# KiCad board helixloop.kicad_pcb (continued)
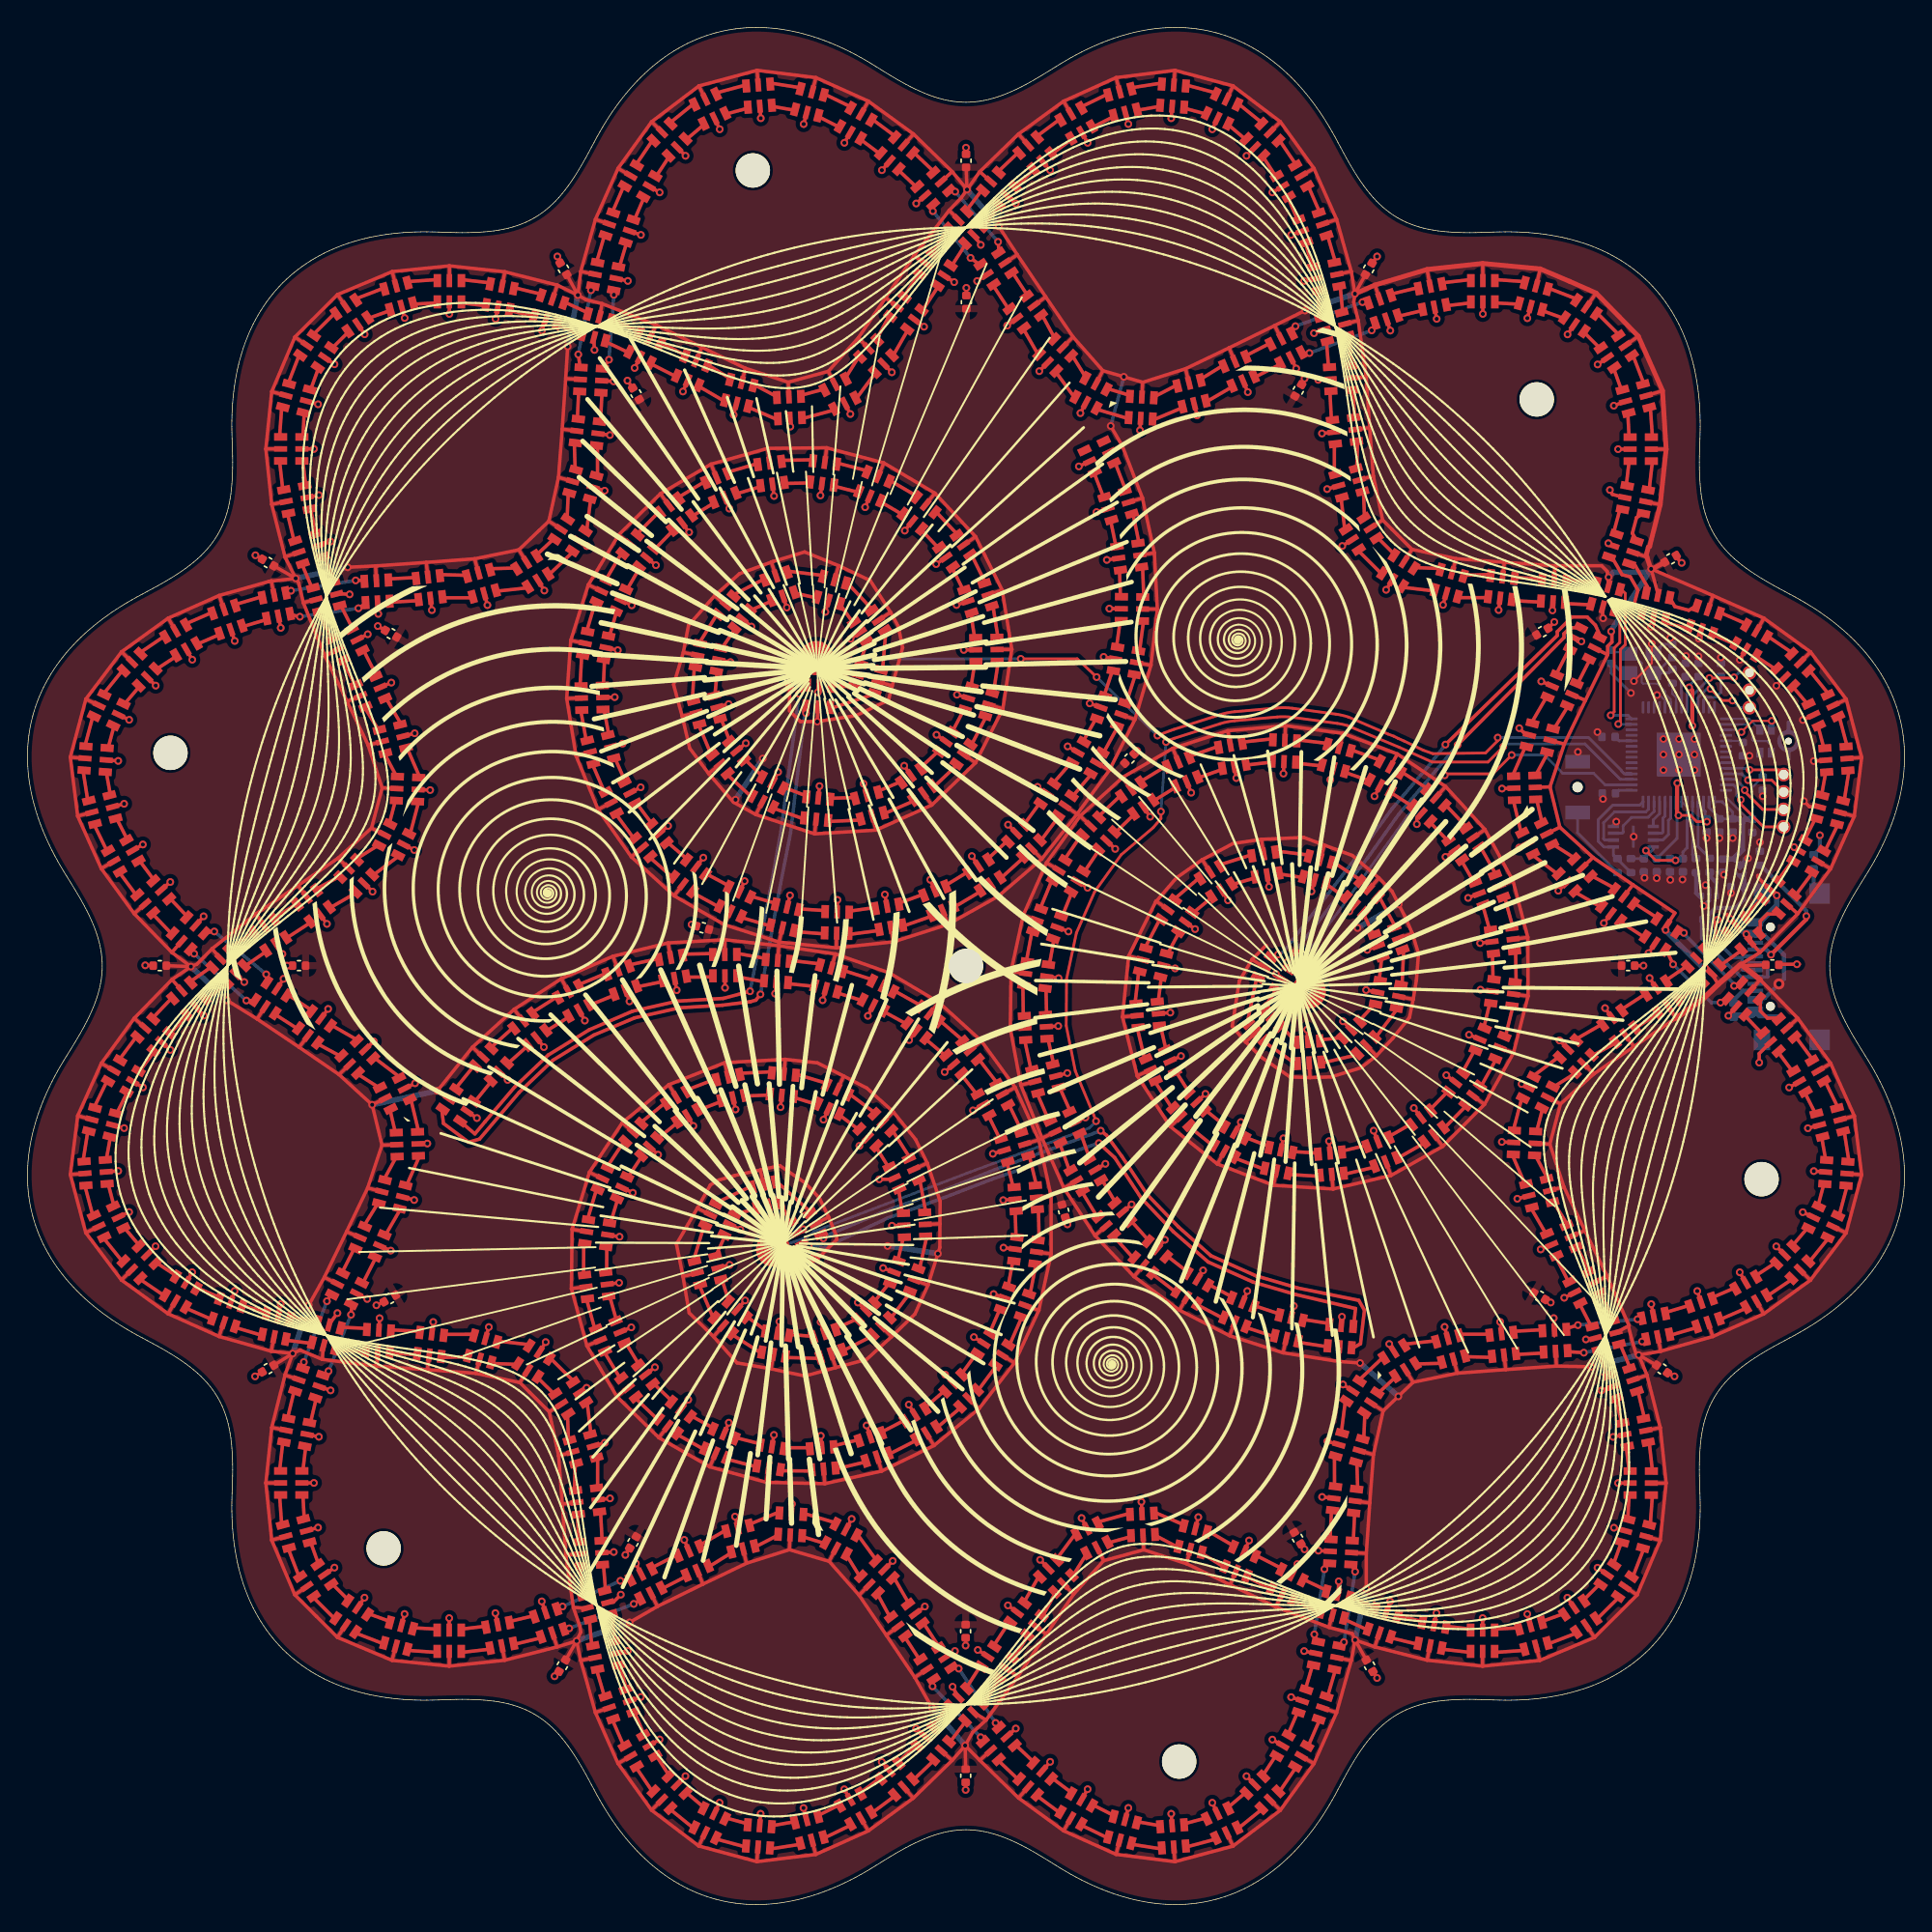
[diagram p0: board, top side]
## Nets (continued)
Net-(D201-SDO): D201.1 D202.3
Net-(D202-CKO): D202.6 D203.4
Net-(D202-SDO): D202.1 D203.3
Net-(D203-CKO): D203.6 D204.4
Net-(D203-SDO): D203.1 D204.3
Net-(D204-CKO): D204.6 D205.4
Net-(D204-SDO): D204.1 D205.3
Net-(D205-CKO): D205.6 D206.4
Net-(D205-SDO): D205.1 D206.3
Net-(D206-CKO): D206.6 D207.4
Net-(D206-SDO): D206.1 D207.3
Net-(D207-CKO): D207.6 D208.4
Net-(D207-SDO): D207.1 D208.3
Net-(D208-CKO): D208.6 D209.4
Net-(D208-SDO): D208.1 D209.3
Net-(D209-CKO): D209.6 D210.4
Net-(D209-SDO): D209.1 D210.3
Net-(D210-CKO): D210.6 D211.4
Net-(D210-SDO): D210.1 D211.3
Net-(D211-CKO): D211.6 D212.4
Net-(D211-SDO): D211.1 D212.3
Net-(D212-CKO): D212.6 D213.4
Net-(D212-SDO): D212.1 D213.3
Net-(D213-CKO): D213.6 D214.4
Net-(D213-SDO): D213.1 D214.3
Net-(D214-CKO): D214.6 D215.4
Net-(D214-SDO): D214.1 D215.3
Net-(D215-CKO): D215.6 D216.4
Net-(D215-SDO): D215.1 D216.3
Net-(D216-CKO): D216.6 D217.4
Net-(D216-SDO): D216.1 D217.3
Net-(D217-CKO): D217.6 D218.4
Net-(D217-SDO): D217.1 D218.3
Net-(D218-CKO): D218.6 D219.4
Net-(D218-SDO): D218.1 D219.3
Net-(D219-CKO): D219.6 D220.4
Net-(D219-SDO): D219.1 D220.3
Net-(D220-CKO): D220.6 D221.4
Net-(D220-SDO): D220.1 D221.3
Net-(D221-CKO): D221.6 D222.4
Net-(D221-SDO): D221.1 D222.3
Net-(D222-CKO): D222.6 D223.4
Net-(D222-SDO): D222.1 D223.3
Net-(D223-CKO): D223.6 D224.4
Net-(D223-SDO): D223.1 D224.3
Net-(D224-CKO): D224.6 D225.4
Net-(D224-SDO): D224.1 D225.3
Net-(D225-CKO): D225.6 D226.4
Net-(D225-SDO): D225.1 D226.3
Net-(D226-CKO): D226.6 D227.4
Net-(D226-SDO): D226.1 D227.3
Net-(D227-CKO): D227.6 D228.4
Net-(D227-SDO): D227.1 D228.3
Net-(D228-CKO): D228.6 D229.4
Net-(D228-SDO): D228.1 D229.3
Net-(D229-CKO): D229.6 D230.4
Net-(D229-SDO): D229.1 D230.3
Net-(D230-CKO): D230.6 D231.4
Net-(D230-SDO): D230.1 D231.3
Net-(D231-CKO): D231.6 D232.4
Net-(D231-SDO): D231.1 D232.3
Net-(D232-CKO): D232.6 D233.4
Net-(D232-SDO): D232.1 D233.3
Net-(D233-CKO): D233.6 D234.4
Net-(D233-SDO): D233.1 D234.3
Net-(D234-CKO): D234.6 D235.4
Net-(D234-SDO): D234.1 D235.3
Net-(D235-CKO): D235.6 D236.4
Net-(D235-SDO): D235.1 D236.3
Net-(D236-CKO): D236.6 D237.4
Net-(D236-SDO): D236.1 D237.3
Net-(D237-CKO): D237.6 D238.4
Net-(D237-SDO): D237.1 D238.3
Net-(D238-CKO): D238.6 D239.4
Net-(D238-SDO): D238.1 D239.3
Net-(D239-CKO): D239.6 D240.4
Net-(D239-SDO): D239.1 D240.3
Net-(D240-CKO): D240.6 D241.4
Net-(D240-SDO): D240.1 D241.3
Net-(D241-CKO): D241.6 D242.4
Net-(D241-SDO): D241.1 D242.3
Net-(D242-CKO): D242.6 D243.4
Net-(D242-SDO): D242.1 D243.3
Net-(D243-CKO): D243.6 D244.4
Net-(D243-SDO): D243.1 D244.3
Net-(D244-CKO): D244.6 D245.4
Net-(D244-SDO): D244.1 D245.3
Net-(D245-CKO): D245.6 D246.4
Net-(D245-SDO): D245.1 D246.3
Net-(D247-CKO): D247.6 D248.4
Net-(D247-SDO): D247.1 D248.3
Net-(D248-CKO): D248.6 D249.4
Net-(D248-SDO): D248.1 D249.3
Net-(D249-CKO): D249.6 D250.4
Net-(D249-SDO): D249.1 D250.3
Net-(D250-CKO): D250.6 D251.4
Net-(D250-SDO): D250.1 D251.3
Net-(D251-CKO): D251.6 D252.4
Net-(D251-SDO): D251.1 D252.3
Net-(D252-CKO): D252.6 D253.4
Net-(D252-SDO): D252.1 D253.3
Net-(D253-CKO): D253.6 D254.4
Net-(D253-SDO): D253.1 D254.3
Net-(D254-CKO): D254.6 D255.4
Net-(D254-SDO): D254.1 D255.3
Net-(D255-CKO): D255.6 D256.4
Net-(D255-SDO): D255.1 D256.3
Net-(D256-CKO): D256.6 D257.4
Net-(D256-SDO): D256.1 D257.3
Net-(D257-CKO): D257.6 D258.4
Net-(D257-SDO): D257.1 D258.3
Net-(D258-CKO): D258.6 D259.4
Net-(D258-SDO): D258.1 D259.3
Net-(D259-CKO): D259.6 D260.4
Net-(D259-SDO): D259.1 D260.3
Net-(D260-CKO): D260.6 D261.4
Net-(D260-SDO): D260.1 D261.3
Net-(D261-CKO): D261.6 D262.4
Net-(D261-SDO): D261.1 D262.3
Net-(D262-CKO): D262.6 D263.4
Net-(D262-SDO): D262.1 D263.3
Net-(D263-CKO): D263.6 D264.4
Net-(D263-SDO): D263.1 D264.3
Net-(D264-CKO): D264.6 D265.4
Net-(D264-SDO): D264.1 D265.3
Net-(D265-CKO): D265.6 D266.4
Net-(D265-SDO): D265.1 D266.3
Net-(D266-CKO): D266.6 D267.4
Net-(D266-SDO): D266.1 D267.3
Net-(D267-CKO): D267.6 D268.4
Net-(D267-SDO): D267.1 D268.3
Net-(D268-CKO): D268.6 D269.4
Net-(D268-SDO): D268.1 D269.3
Net-(D269-CKO): D269.6 D270.4
Net-(D269-SDO): D269.1 D270.3
Net-(D270-CKO): D270.6 D271.4
Net-(D270-SDO): D270.1 D271.3
Net-(D271-CKO): D271.6 D272.4
Net-(D271-SDO): D271.1 D272.3
Net-(D272-CKO): D272.6 D273.4
Net-(D272-SDO): D272.1 D273.3
Net-(D273-CKO): D273.6 D274.4
Net-(D273-SDO): D273.1 D274.3
Net-(D274-CKO): D274.6 D275.4
Net-(D274-SDO): D274.1 D275.3
Net-(D275-CKO): D275.6 D276.4
Net-(D275-SDO): D275.1 D276.3
Net-(D276-CKO): D276.6 D277.4
Net-(D276-SDO): D276.1 D277.3
Net-(D277-CKO): D277.6 D278.4
Net-(D277-SDO): D277.1 D278.3
Net-(D278-CKO): D278.6 D279.4
Net-(D278-SDO): D278.1 D279.3
Net-(D279-CKO): D279.6 D280.4
Net-(D279-SDO): D279.1 D280.3
Net-(D280-CKO): D280.6 D281.4
Net-(D280-SDO): D280.1 D281.3
Net-(D281-CKO): D281.6 D282.4
Net-(D281-SDO): D281.1 D282.3
Net-(D282-CKO): D282.6 D283.4
Net-(D282-SDO): D282.1 D283.3
Net-(D283-CKO): D283.6 D284.4
Net-(D283-SDO): D283.1 D284.3
Net-(D284-CKO): D284.6 D285.4
Net-(D284-SDO): D284.1 D285.3
Net-(D285-CKO): D285.6 D286.4
Net-(D285-SDO): D285.1 D286.3
Net-(D286-CKO): D286.6 D287.4
Net-(D286-SDO): D286.1 D287.3
Net-(D287-CKO): D287.6 D288.4
Net-(D287-SDO): D287.1 D288.3
Net-(D288-CKO): D288.6 D289.4
Net-(D288-SDO): D288.1 D289.3
Net-(D289-CKO): D289.6 D290.4
Net-(D289-SDO): D289.1 D290.3
Net-(D290-CKO): D290.6 D291.4
Net-(D290-SDO): D290.1 D291.3
Net-(D291-CKO): D291.6 D292.4
Net-(D291-SDO): D291.1 D292.3
Net-(D292-CKO): D292.6 D293.4
Net-(D292-SDO): D292.1 D293.3
Net-(D293-CKO): D293.6 D294.4
Net-(D293-SDO): D293.1 D294.3
Net-(D294-CKO): D294.6 D295.4
Net-(D294-SDO): D294.1 D295.3
Net-(D295-CKO): D295.6 D296.4
Net-(D295-SDO): D295.1 D296.3
Net-(D296-CKO): D296.6 D297.4
Net-(D296-SDO): D296.1 D297.3
Net-(D297-CKO): D297.6 D298.4
Net-(D297-SDO): D297.1 D298.3
Net-(D298-CKO): D298.6 D299.4
Net-(D298-SDO): D298.1 D299.3
Net-(D299-CKO): D299.6 D300.4
Net-(D299-SDO): D299.1 D300.3
Net-(D300-CKO): D300.6 D301.4
Net-(D300-SDO): D300.1 D301.3
Net-(D301-CKO): D301.6 D302.4
Net-(D301-SDO): D301.1 D302.3
Net-(D302-CKO): D302.6 D303.4
Net-(D302-SDO): D302.1 D303.3
Net-(D303-CKO): D303.6 D304.4
Net-(D303-SDO): D303.1 D304.3
Net-(D304-CKO): D304.6 D305.4
Net-(D304-SDO): D304.1 D305.3
Net-(D305-CKO): D305.6 D306.4
Net-(D305-SDO): D305.1 D306.3
Net-(D306-CKO): D306.6 D307.4
Net-(D306-SDO): D306.1 D307.3
Net-(D307-CKO): D307.6 D308.4
Net-(D307-SDO): D307.1 D308.3
Net-(D308-CKO): D308.6 D309.4
Net-(D308-SDO): D308.1 D309.3
Net-(D309-CKO): D309.6 D310.4
Net-(D309-SDO): D309.1 D310.3
Net-(D310-CKO): D310.6 D311.4
Net-(D310-SDO): D310.1 D311.3
Net-(D311-CKO): D311.6 D312.4
Net-(D311-SDO): D311.1 D312.3
Net-(D312-CKO): D312.6 D313.4
Net-(D312-SDO): D312.1 D313.3
Net-(D313-CKO): D313.6 D314.4
Net-(D313-SDO): D313.1 D314.3
Net-(D314-CKO): D314.6 D315.4
Net-(D314-SDO): D314.1 D315.3
Net-(D315-CKO): D315.6 D316.4
Net-(D315-SDO): D315.1 D316.3
Net-(D316-CKO): D316.6 D317.4
Net-(D316-SDO): D316.1 D317.3
Net-(D317-CKO): D317.6 D318.4
Net-(D317-SDO): D317.1 D318.3
Net-(D318-CKO): D318.6 D319.4
Net-(D318-SDO): D318.1 D319.3
Net-(D319-CKO): D319.6 D320.4
Net-(D319-SDO): D319.1 D320.3
Net-(D320-CKO): D320.6 D321.4
Net-(D320-SDO): D320.1 D321.3
Net-(D321-CKO): D321.6 D322.4
Net-(D321-SDO): D321.1 D322.3
Net-(D322-CKO): D322.6 D323.4
Net-(D322-SDO): D322.1 D323.3
Net-(D323-CKO): D323.6 D324.4
Net-(D323-SDO): D323.1 D324.3
Net-(D324-CKO): D324.6 D325.4
Net-(D324-SDO): D324.1 D325.3
Net-(D325-CKO): D325.6 D326.4
Net-(D325-SDO): D325.1 D326.3
Net-(D326-CKO): D326.6 D327.4
Net-(D326-SDO): D326.1 D327.3
Net-(D327-CKO): D327.6 D328.4
Net-(D327-SDO): D327.1 D328.3
Net-(D328-CKO): D328.6 D329.4
Net-(D328-SDO): D328.1 D329.3
Net-(D329-CKO): D329.6 D330.4
Net-(D329-SDO): D329.1 D330.3
Net-(D330-CKO): D330.6 D331.4
Net-(D330-SDO): D330.1 D331.3
Net-(D331-CKO): D331.6 D332.4
Net-(D331-SDO): D331.1 D332.3
Net-(D332-CKO): D332.6 D333.4
Net-(D332-SDO): D332.1 D333.3
Net-(D333-CKO): D333.6 D334.4
Net-(D333-SDO): D333.1 D334.3
Net-(D334-CKO): D334.6 D335.4
Net-(D334-SDO): D334.1 D335.3
Net-(D335-CKO): D335.6 D336.4
Net-(D335-SDO): D335.1 D336.3
Net-(D336-CKO): D336.6 D337.4
Net-(D336-SDO): D336.1 D337.3
Net-(D337-CKO): D337.6 D338.4
Net-(D337-SDO): D337.1 D338.3
Net-(D338-CKO): D338.6 D339.4
Net-(D338-SDO): D338.1 D339.3
Net-(D339-CKO): D339.6 D340.4
Net-(D339-SDO): D339.1 D340.3
Net-(D340-CKO): D340.6 D341.4
Net-(D340-SDO): D340.1 D341.3
Net-(D341-CKO): D341.6 D342.4
Net-(D341-SDO): D341.1 D342.3
Net-(D342-CKO): D342.6 D343.4
Net-(D342-SDO): D342.1 D343.3
Net-(D343-CKO): D343.6 D344.4
Net-(D343-SDO): D343.1 D344.3
Net-(D344-CKO): D344.6 D345.4
Net-(D344-SDO): D344.1 D345.3
Net-(D345-CKO): D345.6 D346.4
Net-(D345-SDO): D345.1 D346.3
Net-(D346-CKO): D346.6 D347.4
Net-(D346-SDO): D346.1 D347.3
Net-(D347-CKO): D347.6 D348.4
Net-(D347-SDO): D347.1 D348.3
Net-(D348-CKO): D348.6 D349.4
Net-(D348-SDO): D348.1 D349.3
Net-(D349-CKO): D349.6 D350.4
Net-(D349-SDO): D349.1 D350.3
Net-(D350-CKO): D350.6 D351.4
Net-(D350-SDO): D350.1 D351.3
Net-(D351-CKO): D351.6 D352.4
Net-(D351-SDO): D351.1 D352.3
Net-(D352-CKO): D352.6 D353.4
Net-(D352-SDO): D352.1 D353.3
Net-(D353-CKO): D353.6 D354.4
Net-(D353-SDO): D353.1 D354.3
Net-(D354-CKO): D354.6 D355.4
Net-(D354-SDO): D354.1 D355.3
Net-(D355-CKO): D355.6 D356.4
Net-(D355-SDO): D355.1 D356.3
Net-(D356-CKO): D356.6 D357.4
Net-(D356-SDO): D356.1 D357.3
Net-(D357-CKO): D357.6 D358.4
Net-(D357-SDO): D357.1 D358.3
Net-(D358-CKO): D358.6 D359.4
Net-(D358-SDO): D358.1 D359.3
Net-(D359-CKO): D359.6 D360.4
Net-(D359-SDO): D359.1 D360.3
Net-(D360-CKO): D360.6 D361.4
Net-(D360-SDO): D360.1 D361.3
Net-(D361-CKO): D361.6 D362.4
Net-(D361-SDO): D361.1 D362.3
Net-(D362-CKO): D362.6 D363.4
Net-(D362-SDO): D362.1 D363.3
Net-(D363-CKO): D363.6 D364.4
Net-(D363-SDO): D363.1 D364.3
Net-(D364-CKO): D364.6 D365.4
Net-(D364-SDO): D364.1 D365.3
Net-(D365-CKO): D365.6 D366.4
Net-(D365-SDO): D365.1 D366.3
Net-(D366-CKO): D366.6 D367.4
Net-(D366-SDO): D366.1 D367.3
Net-(D367-CKO): D367.6 D368.4
Net-(D367-SDO): D367.1 D368.3
Net-(D368-CKO): D368.6 D369.4
Net-(D368-SDO): D368.1 D369.3
Net-(J6-CC1): J6.A5 R6.2
Net-(J6-CC2): J6.B5 R7.2
Net-(J6-SHIELD): J6.S1 R13.2
Net-(J9-Pin_1): J9.1 U7.38
Net-(J9-Pin_2): J9.2 U7.39
Net-(J9-Pin_3): J9.3 U7.40
Net-(J9-Pin_4): J9.4 U7.41
Net-(U7-GPIO0): TP1.1 U7.2
Net-(U7-GPIO1): TP2.1 U7.3
Net-(U7-GPIO2): TP3.1 U7.4
Net-(U7-USB_DM): R9.2 U7.46
Net-(U7-USB_DP): R8.2 U7.47
Net-(U7-XIN): C30.1 U7.20 Y6.1
Net-(U7-XOUT): R15.1 U7.21

Pads without a net: J6 A8 B8; U7 5 6 7 8 9 11 12 15 16 17 18 27 28 32 34 35 36 37

## Via types
v1: diameter 0.56, hole 0.3, Top to Bottom, 567 vias
v2: diameter 0.8, hole 0.4, Top to Bottom, 1 via

## Routing (per net, layer and track width the routed paths; a pad name or vN(x,y) marks a point on that pad's centre or on a via; arc(x,y) is an arc through that point)
+1V1: length 16.5
  Top w0.2: v1(122.35,78.89) 121.61,78.89 121.15,79.35 v1(120.28,79.35) ; 120.17,81.68 v1(120.19,81.7)
  Top w0.3: v1(121.28,85.87) 121.28,88.44 v1(121.05,88.67) ; v1(120.28,79.35) 120.17,79.45 120.17,81.68
  Bottom w0.2: U7.50 120.1,79.8 120.17,79.73 120.17,77.68 C17.1 ; v1(122.35,78.89) 122.32,78.91 C27.1 122.22,79.19 122.22,79.64 122.1,79.76 U7.45 ; U7.23 120.9,88.51 v1(121.05,88.67) 121.05,88.77 C16.1
+3V3: length 39
  Top w0.2: v1(117.9,76.78) 118.61,76.07 v1(120.06,76.07)
  Bottom w0.15: U7.49 120.9,79.94 120.9,79.7 ; U7.33 124.84,84.78 C22.1 ; 126.31,83.77 126.31,82.24 C32.1 125.66,81.38 C21.1 125.35,79.06 123.74,80.67 U7.42
  Bottom w0.2: C19.1 120.47,89.13 120.47,88.3 120.5,88.27 U7.22 ; 118.03,76.47 C35.1 116.81,76.19 R20.1 ; 118.03,76.47 117.9,76.6 v1(117.9,76.78) ; 118.03,76.47 118.44,76.88 U10.8 ; U7.43 123.46,80.34 124.23,79.57 C25.1 C28.1 123.26,79.17 122.5,79.93 U7.44 ; C23.1 123.36,88.31 123,87.95 122.3,87.95 122.1,87.75 U7.26 ; U7.48 120.9,76.98 120.59,76.68 C26.1 C20.1 119.94,76.19 v1(120.06,76.07) ; U7.1 115.92,81.18 C18.1 ; C24.1 115.95,84.78 U7.10
  Bottom w0.4: C25.1 124.66,79.09 124.94,78.81 ; 124.94,78.81 124.94,76.83 124.27,76.17 C34.1 ; 124.94,78.81 124.89,78.86 125.09,79.06 C21.1
+5V: length 1984.1
  Top w0.25: 116.63,42.15 116.89,41.12 117.18,40.12 v1(117.38,40.03) ; 116.63,42.15 115.79,41.69 ; 116.63,42.15 116.68,42.18 115.08,45.78 ; 62.25,42.08 62.95,41.37 ; 62.95,41.37 61.13,39.71 58.89,39.12 ; 62.95,41.37 64.65,43.02 65.61,45.13 ; 80.22,69.1 79.77,64.67 ; 80.22,69.1 81.19,68.84 ; 80.22,69.1 82.18,73.02 ; 79.77,64.67 80.85,60.37 ; 79.77,64.67 80.77,64.76 ; 78.82,82.64 80.68,86.33 ; 78.82,82.64 76.47,79.44 ; 78.82,82.64 77.95,83.13 ; 80.68,86.33 79.74,86.66 ; 80.68,86.33 81.85,90.28 ; 72.64,67.84 71.65,67.98 ; 71.65,67.98 71.6,63.8 ; 71.65,67.98 72.54,72.06 ; 49.35,131.58 48.92,132.49 ; 48.92,132.49 45.47,129.88 ; 48.92,132.49 53.15,133.62 ; 83.59,133.62 79.31,133.09 ; 83.59,133.62 83.52,132.63 ; 83.59,133.62 87.83,132.49 ; 79.31,133.09 79.56,132.12 ; 79.31,133.09 75.48,131.37 ; 42.32,122.44 41.38,122.76 ; 41.38,122.76 43.02,126.48 ; 41.38,122.76 40.31,118.97 ; 77.77,48.74 80.61,45.75 ; 77.77,48.74 75.5,52.19 ; 77.77,48.74 78.53,49.38 ; 80.61,45.75 83.91,43.3 ; 80.61,45.75 81.25,46.51 ; 72.86,8.52 72.2,7.76 ; 72.2,7.76 75.48,5.37 ; 72.2,7.76 69.37,10.51 ; 73.68,43.28 74.58,47.4 ; 73.68,43.28 71.9,39.46 ; 73.68,43.28 72.74,43.62 ; 74.58,47.4 73.58,47.53 ; 74.58,47.4 74.57,51.61 ; 7.56,46.2 6.85,45.49 ; 6.85,45.49 4.25,48.94 ; 6.85,45.49 10.25,43.04 ; 116.95,74.29 114.05,76.28 ; 116.95,74.29 116.35,73.49 ; 116.95,74.29 120.01,72.23 D221.5 v1(119.34,70.99) ; 114.05,76.28 113.32,75.59 ; 114.05,76.28 111.63,78.48 ; 7.77,72.19 10.52,69.37 ; 7.77,72.19 5.38,75.47 ; 7.77,72.19 8.52,72.85 ; 10.52,69.37 v1(11.91,68.33) ; 10.52,69.37 11.18,70.12 ; 47.7,86.57 47.07,88.87 47.78,91.22 ; 47.7,86.57 48.25,84.23 49.62,82.39 ; 47.7,86.57 48.66,86.82 ; 96.54,25.64 97.54,25.58 ; 97.54,25.58 v1(97.53,23) ; 97.54,25.58 97.79,29.26 ; 73.33,59.95 72.37,59.7 ; 72.37,59.7 71.6,63.8 ; 72.37,59.7 73.91,55.83 ; 62.88,94.14 61.4,96.45 59.09,97.53 ; 62.88,94.14 62.04,93.59 ; 62.88,94.14 63.44,93.12 63.75,91.57 62.96,88.64 ; 47.76,45.76 48.21,43.1 49.98,41.37 ; 47.76,45.76 47.28,48.11 48.8,50.73 ; 47.76,45.76 48.73,46 ; 65.48,102.04 66.11,102.82 ; 66.11,102.82 69.07,99.65 ; 66.11,102.82 62.39,105.02 ; 81.27,26.84 81.32,25.84 ; 81.32,25.84 84.44,24.83 ; 81.32,25.84 78.4,25.05 ; 97.53,111.28 96.95,115.4 ; 97.53,111.28 96.53,111.22 ; 97.53,111.28 97.78,107.59 ; 96.95,115.4 96.62,116.73 v1(96.7,117.34) ; 96.95,115.4 96.04,115.16 ; 46.67,70.05 42.66,69.09 ; 46.67,70.05 50.8,70.29 ; 46.67,70.05 46.85,69.07 ; 42.66,69.09 38.89,67.45 ; 42.66,69.09 43,68.15 ; 60.75,6.23 61.25,5.37 ; 61.25,5.37 57.42,3.65 ; 61.25,5.37 64.54,7.75 ; 81.76,60.78 80.85,60.37 ; 80.85,60.37 83.25,56.68 ; 99.32,82.94 99.79,83.82 ; 99.79,83.82 95.84,85.32 ; 99.79,83.82 103.31,81.45 ; 55.21,61.57 50.81,61.33 ; 55.21,61.57 55.11,60.58 ; 55.21,61.57 57.55,61.32 59.46,60.35 ; 50.81,61.33 46.72,59.73 ; 50.81,61.33 51.03,60.36 ; 93.72,10.27 95.37,13.98 ; 93.72,10.27 91.27,6.87 ; 93.72,10.27 92.85,10.77 ; 95.37,13.98 94.42,14.3 ; 95.37,13.98 96.44,17.77 ; 66.04,33.44 69.32,36.12 ; 66.04,33.44 62.23,31.58 ; 66.04,33.44 65.52,34.29 ; 69.32,36.12 68.61,36.83 ; 69.32,36.12 71.9,39.46 ; 40.66,49.04 39.68,49.19 ; 39.68,49.19 39.63,44.87 ; 39.68,49.19 40.93,53.34 ; 126.49,43.03 129.89,45.48 ; 126.49,43.03 125.99,43.9 ; 126.49,43.03 122.78,41.38 ; 129.89,45.48 129.18,46.19 ; 129.89,45.48 132.49,48.93 ; 91.39,22.57 90.94,21.68 ; 90.94,21.68 87.62,23.3 ; 90.94,21.68 94.81,20.2 ; 115.18,96.09 115.11,96.85 ; 115.11,96.85 115.09,97.12 114.68,97.53 111.29,97.53 111.28,97.53 ; 115.11,96.85 115.11,96.77 v1(115.18,96.7) ; 23.35,75.53 22.63,76.23 ; 22.63,76.23 25.07,78.42 ; 22.63,76.23 19.72,74.24 ; 40.22,25.54 39.22,25.48 ; 39.22,25.48 39.77,21.65 ; 39.22,25.48 38.96,29.17 ; 21.48,39.71 25.45,39.22 ; 21.48,39.71 21.55,40.65 ; 21.48,39.71 19.86,40.39 v1(19.32,40.14) ; 25.45,39.22 25.51,40.22 ; 25.45,39.22 29.14,38.97 ; 39.77,21.65 40.25,20.26 40.31,19.85 v1(40.01,19.21) ; 39.77,21.65 40.7,21.59 ; 87.57,41.44 91.47,40.19 ; 87.57,41.44 87.94,42.37 ; 87.57,41.44 83.91,43.3 ; 91.47,40.19 91.69,41.17 ; 91.47,40.19 95.5,39.57 ; 98.15,18.77 v1(96.72,19.28) ; 98.15,18.77 98.47,19.72 ; 98.15,18.77 101.97,17.8 ; v1(96.72,19.28) 96.51,19.74 94.81,20.2 ; v1(96.72,19.28) C9.2 ; v1(96.72,19.28) 96.44,17.77 ; 43.02,126.48 45.47,129.88 ; 43.02,126.48 43.89,125.98 ; 105.36,77.75 106.18,78.32 ; 106.18,78.32 103.31,81.45 ; 106.18,78.32 108.22,74.58 ; 21.67,90.97 23.29,87.64 ; 21.67,90.97 20.09,94.85 ; 21.67,90.97 22.56,91.42 ; 23.29,87.64 24.82,84.47 ; 23.29,87.64 24.21,88.04 ; 46.7,101.98 46.11,102.78 ; 46.11,102.78 43.07,99.78 ; 46.11,102.78 49.8,104.93 ; 84.42,44.16 83.91,43.3 ; 107.29,74.23 108.22,74.58 ; 108.22,74.58 109.3,70.45 ; 126.21,69.36 124.82,68.5 124.94,68.4 C11.2 ; 126.21,69.36 128.97,72.18 ; 126.21,69.36 125.55,70.11 ; 94.42,122.44 95.37,122.76 ; 95.37,122.76 93.72,126.48 ; 95.37,122.76 96.44,118.97 ; 122.46,94.41 122.79,95.36 ; 122.79,95.36 126.5,93.71 ; 122.79,95.36 v1(118.28,97.3) ; 40.31,118.97 v1(40.1,117.25) ; 40.31,118.97 41.29,118.77 ; 129.19,90.55 129.9,91.25 ; 129.9,91.25 126.5,93.71 ; 129.9,91.25 132.5,87.8 ; 24.82,84.47 25.84,81.35 ; 24.82,84.47 25.79,84.71 ; 25.84,81.35 26.84,81.3 ; 25.84,81.35 25.07,78.42 ; 57.59,87.18 v1(57.54,86.18) ; v1(57.54,86.18) 56.31,86.18 55.52,86.97 C15.2 ; v1(57.54,86.18) 60.38,86.62 62.73,87.75 62.96,88.64 ; 38.69,103.97 37.98,100.78 ; 38.69,103.97 39.65,103.69 ; 38.69,103.97 38.96,107.48 ; 37.98,100.78 35.8,98.69 ; 37.98,100.78 38.82,100.23 ; 91.65,85.88 87.45,85.51 ; 91.65,85.88 95.84,85.32 ; 91.65,85.88 91.61,84.89 ; 87.45,85.51 83.43,84.23 ; 87.45,85.51 87.62,84.53 ; 20.32,73.44 19.72,74.24 ; 19.72,74.24 16.65,72.18 ; 84.44,24.83 84.68,25.8 ; 84.44,24.83 87.62,23.3 ; 29.26,39.96 29.14,38.97 ; 29.14,38.97 32.66,38.7 ; 73.68,55.71 71.95,59.53 ; 73.68,55.71 74.57,51.61 ; 73.68,55.71 73.91,55.83 ; 73.68,55.71 72.72,55.42 ; 71.95,59.53 71.08,59.05 ; 71.95,59.53 69.49,62.92 ; 111.93,52.28 110.91,55.4 ; 111.93,52.28 110.96,52.03 ; 111.93,52.28 113.45,49.1 ; 110.91,55.4 109.91,55.44 ; 110.91,55.4 111.68,58.32 ; 87.62,23.3 88.01,24.22 ; 98.06,32.77 98.76,35.96 ; 98.06,32.77 97.79,29.26 ; 98.06,32.77 97.1,33.05 ; 98.76,35.96 v1(99.87,37.02) 100.95,38.05 ; 98.76,35.96 97.92,36.51 ; 5.38,61.28 3.66,57.46 ; 5.38,61.28 6.25,60.78 ; 5.38,61.28 7.78,64.57 ; 3.66,57.46 4.63,57.21 ; 3.66,57.46 3.12,53.18 ; 111.63,78.48 110.92,81.42 ; 111.63,78.48 110.74,78.04 ; 110.92,81.42 109.92,81.39 ; 110.92,81.42 111.96,84.54 ; 107.33,62.41 108.25,62.03 ; 108.25,62.03 109.32,66.18 ; 108.25,62.03 106.14,58.29 ; v1(11.91,68.33) C5.2 ; v1(11.91,68.33) 12.34,68.5 13.45,69.63 ; v1(11.91,68.33) 10.53,67.39 ; 89.46,63.51 88.74,62.82 88.6,62.99 ; 128.97,64.56 126.22,67.38 125.56,66.63 ; 128.97,64.56 128.22,63.9 ; 128.97,64.56 131.37,61.27 ; 66.48,49.59 66.47,47.87 v1(66.32,47.42) 65.61,45.13 ; 66.48,49.59 66.49,51.23 65.55,54.01 ; 66.48,49.59 65.48,49.55 ; 98.48,117.03 98.16,117.98 ; 58.87,25.89 58.4,25 ; 58.4,25 60.58,22.54 ; 58.4,25 55.5,25.85 ; 50.11,32.81 49.71,31.89 ; 49.71,31.89 46,34.01 ; 49.71,31.89 53.83,30.76 ; 35.45,65.21 32.42,62.46 ; 35.45,65.21 38.89,67.45 ; 35.45,65.21 36.07,64.43 ; 32.42,62.46 v1(29.86,59.28) 30.68,58.71 ; 32.42,62.46 33.15,61.78 ; 10.25,43.04 13.96,41.39 ; 10.25,43.04 10.75,43.9 ; 13.96,41.39 17.76,40.31 ; 13.96,41.39 14.28,42.33 ; 64.54,7.75 67.37,10.51 ; 64.54,7.75 63.88,8.51 ; 67.37,10.51 v1(68.31,11.58) ; 67.37,10.51 66.62,11.17 ; 117.03,98.48 117.98,98.16 ; 62.35,66.97 62.8,67.86 ; 62.8,67.86 58.86,69.25 ; 62.8,67.86 66.39,65.73 ; 39.63,44.87 40.75,40.71 ; 39.63,44.87 40.62,44.99 ; 40.75,40.71 41.68,41.09 ; 40.75,40.71 42.94,37.01 ; v1(68.31,11.58) 69.37,10.51 ; v1(68.31,11.58) 68.85,12.54 69.84,13.44 ; v1(68.31,11.58) C8.2 ; 50.8,70.29 50.8,69.29 ; 50.8,70.29 54.74,69.85 ; 60.53,114.13 58.34,111.69 ; 60.53,114.13 61.22,113.42 ; 60.53,114.13 62.52,117.05 ; 58.34,111.69 58.8,110.8 ; 58.34,111.69 55.42,110.9 ; 61.92,32.53 62.23,31.58 ; 62.23,31.58 58.08,30.66 ; 97.08,103.8 98.05,104.07 ; 98.05,104.07 97.78,107.59 ; 98.05,104.07 98.73,100.86 ; 55.56,26.85 55.5,25.85 ; 55.5,25.85 52.38,24.86 ; 22.57,19.47 26.56,17.79 ; 22.57,19.47 23.14,20.29 ; 22.57,19.47 19.47,22.57 ; 26.56,17.79 26.82,18.75 ; 26.56,17.79 30.73,17.37 ; 46,34.01 42.94,37.01 ; 46,34.01 46.61,34.8 ; 102.64,80.7 103.31,81.45 ; 133.62,53.16 133.09,57.45 ; 133.62,53.16 132.63,53.24 ; 133.62,53.16 132.49,48.93 ; 133.09,57.45 131.37,61.27 ; 133.09,57.45 132.12,57.2 ; 18.76,109.95 17.8,110.22 ; 17.8,110.22 17.37,106.04 ; 17.8,110.22 19.48,114.19 ; 53.06,79.41 51.44,80.3 ; 53.06,79.41 53.52,80.29 ; 53.06,79.41 57.35,78 ; 51.44,80.3 49.62,82.39 ; 51.44,80.3 v1(51.58,80.49) ; 67.37,126.23 v1(68.45,124.93) ; 67.37,126.23 66.62,125.57 ; 67.37,126.23 64.55,128.98 ; v1(68.45,124.93) 68.04,124.35 67.15,123.42 ; v1(68.45,124.93) C2.2 ; v1(68.45,124.93) 69.37,126.23 ; 53.98,31.74 53.83,30.76 ; 53.83,30.76 58.08,30.66 ; 20.95,95.06 20.09,94.85 ; 20.09,94.85 19.76,96.29 v1(19.54,96.61) ; 47.23,58.87 46.72,59.73 ; 46.72,59.73 43.34,56.96 ; 52.38,24.86 49.21,23.34 ; 52.38,24.86 52.14,25.83 ; 82.1,98.46 81.23,102.47 ; 82.1,98.46 82.31,94.37 ; 82.1,98.46 81.11,98.32 ; 81.23,102.47 80.27,102.17 ; 81.23,102.47 79.75,106.27 ; 67.08,71.41 70.72,73.45 ; 67.08,71.41 66.7,72.34 ; 67.08,71.41 63.09,70.14 ; 70.72,73.45 73.89,76.17 ; 70.72,73.45 70.17,74.29 ; v1(19.54,96.61) 17.61,96.39 ; v1(19.54,96.61) C4.2 ; v1(19.54,96.61) 18.76,98.18 ; 97.88,100.32 98.73,100.86 ; 98.73,100.86 100.87,98.72 ; 62.96,88.64 62.99,88.78 62.04,89.07 ; 74.18,117.12 72.11,120.19 ; 74.18,117.12 73.38,116.52 ; 74.18,117.12 76.17,114.2 ; 72.11,120.19 71.27,119.64 ; 72.11,120.19 v1(70.76,122.25) ; 43.34,56.96 44.08,56.3 ; 43.34,56.96 40.93,53.34 ; 49.98,41.37 50.64,42.13 ; 49.98,41.37 51.69,39.46 54.17,39.02 ; 112.54,48.71 113.45,49.1 ; 113.45,49.1 115.08,45.78 ; 126.5,93.71 126,92.84 ; 39.21,111.17 38.96,107.48 ; 39.21,111.17 v1(39.35,113.5) ; 39.21,111.17 40.21,111.11 ; 38.96,107.48 39.95,107.36 ; 103.1,55.23 106.14,58.29 ; 103.1,55.23 99.33,53.11 ; 103.1,55.23 102.5,56.03 ; 106.14,58.29 105.35,58.89 ; 100.89,70.75 101.34,69.28 101.18,67.34 100.95,65.94 ; 100.89,70.75 100.32,72.04 v1(99.89,72.87) 99.41,73.82 98.45,74.78 ; 100.89,70.75 99.95,70.4 ; 26.57,118.96 22.59,117.29 ; 26.57,118.96 30.74,119.38 ; 26.57,118.96 26.83,117.99 ; 22.59,117.29 23.15,116.46 ; 22.59,117.29 19.48,114.19 ; 44.76,76.97 43.99,76.32 ; 43.99,76.32 47.11,73.49 ; 43.99,76.32 41.57,79.77 ; 82.31,94.37 81.85,90.28 ; 82.31,94.37 81.31,94.38 ; 65.31,80.92 65.88,80.1 ; 65.88,80.1 69.07,83.18 ; 65.88,80.1 61.82,78.27 ; 71.6,63.8 72.6,63.86 ; 69.84,13.44 72.16,16.63 ; 69.84,13.44 68.97,13.96 ; 118.38,30.7 119.38,30.7 ; 119.38,30.7 118.95,34.74 ; 119.38,30.7 118.95,26.53 ; v1(23.33,97.42) 25.5,97.53 ; 25.5,97.53 25.36,97.52 25.42,96.52 ; 25.5,97.53 29.05,97.77 ; 32.66,38.7 35.87,38.02 ; 32.66,38.7 32.93,39.66 ; 35.87,38.02 36.41,38.87 ; 35.87,38.02 38.01,35.89 ; 54.66,68.85 54.74,69.85 ; 54.74,69.85 58.86,69.25 ; 54.74,69.85 54.75,70.11 ; 18.37,30.71 17.37,30.71 ; 17.37,30.71 17.79,26.55 ; 17.37,30.71 17.8,34.75 ; 117.98,26.79 118.95,26.53 ; 118.95,26.53 117.26,22.55 ; 118.95,34.74 117.97,34.55 ; 118.95,34.74 117.98,38.57 ; 10.76,92.85 10.26,93.71 ; 10.26,93.71 6.86,91.26 ; 10.26,93.71 13.97,95.36 ; 131.37,61.27 130.5,60.77 ; v1(40.1,117.25) C3.2 ; v1(40.1,117.25) 40.69,116.91 41.86,116.62 ; v1(40.1,117.25) 38.6,117.97 ; 80.36,81.3 79.79,82.12 ; 79.79,82.12 83.43,84.23 ; 79.79,82.12 76.69,79.3 ; 3.12,53.18 4.25,48.94 ; 3.12,53.18 4.12,53.25 ; 4.25,48.94 5.15,49.37 ; 62.39,105.02 58.22,106.12 ; 62.39,105.02 62,104.1 ; 58.22,106.12 53.93,106.08 ; 58.22,106.12 58.09,105.13 ; 74.81,56.26 73.91,55.83 ; 73.91,55.83 75.5,52.19 ; 30.73,17.37 34.77,17.8 ; 30.73,17.37 30.73,18.37 ; 34.77,17.8 38.59,18.77 ; 34.77,17.8 34.57,18.78 ; 79.75,106.27 v1(78.91,107.71) ; 79.75,106.27 78.85,105.84 ; 85.58,76.12 87.82,77.29 89.89,77.6 ; 85.58,76.12 83.71,74.8 82.18,73.02 ; 85.58,76.12 86.12,75.27 ; 117.03,62.51 120.09,64.57 119.55,65.41 ; 117.03,62.51 114.12,60.52 ; 117.03,62.51 116.43,63.31 ; 71.71,91.44 71.01,95.76 ; 71.71,91.44 70.71,91.43 ; 71.71,91.44 71.06,87.1 ; 71.01,95.76 69.07,99.65 ; 71.01,95.76 70.06,95.45 ; 72.16,16.63 74.22,19.69 ; 72.16,16.63 71.32,17.17 ; 74.22,19.69 76.21,22.61 ; 74.22,19.69 73.42,20.29 ; 11.19,66.64 10.53,67.39 ; 10.53,67.39 7.78,64.57 ; v1(96.7,117.34) C1.2 ; v1(96.7,117.34) 96.44,118.97 ; 62.37,57.04 63.07,57.75 ; 63.07,57.75 61.16,59.47 59.46,60.35 ; 63.07,57.75 64.7,55.74 65.55,54.01 ; 58.95,70.69 58.93,69.69 ; 58.93,69.69 63.09,70.14 ; 58.93,69.69 54.75,70.11 ; 58.6,68.29 58.86,69.25 ; 95.5,39.57 v1(97.08,39.45) ; 95.5,39.57 95.58,40.56 ; 90.77,52.4 95.11,52.13 ; 90.77,52.4 90.98,53.38 ; 90.77,52.4 86.68,53.95 ; 95.11,52.13 99.33,53.11 ; 95.11,52.13 95.03,53.12 ; 81.19,109.9 81.25,110.89 ; 81.25,110.89 84.36,111.88 ; 81.25,110.89 v1(79.87,111.29) 78.34,111.74 ; 38.89,67.45 39.38,66.58 ; 7.78,64.57 8.53,63.91 ; 25.07,78.42 25.96,77.97 ; 54.06,105.09 53.93,106.08 ; 53.93,106.08 49.8,104.93 ; 54.98,71.08 54.75,70.11 ; 54.75,70.11 50.75,71.39 ; v1(117.38,40.03) C10.2 ; v1(117.38,40.03) 117.98,38.57 ; v1(117.38,40.03) 118.98,40.31 ; 79.31,3.65 83.59,3.12 ; 79.31,3.65 75.48,5.37 ; 79.31,3.65 79.56,4.62 ; 83.59,3.12 83.52,4.12 ; 83.59,3.12 87.83,4.26 ; 30.74,119.38 34.78,118.94 ; 30.74,119.38 30.74,118.38 ; 96.44,17.77 95.46,17.97 ; 17.37,106.04 17.79,102 ; 17.37,106.04 18.37,106.04 ; 91.31,114.13 90.86,115.03 ; 90.86,115.03 v1(93.07,116.12) ; 90.86,115.03 87.54,113.4 ; 90.24,69.87 90.23,69.87 89.21,68.85 ; 45.8,115.07 41.86,116.62 ; 45.8,115.07 49.12,113.44 ; 45.8,115.07 45.36,114.17 ; 41.86,116.62 41.69,115.72 ; 35.8,98.69 32.58,98.04 ; 35.8,98.69 36.33,97.84 ; 20.3,23.13 19.47,22.57 ; 19.47,22.57 17.79,26.55 ; v1(65.89,14.35) 64.64,16.55 ; 64.64,16.55 62.57,19.62 ; 64.64,16.55 65.48,17.1 ; 49.21,23.34 48.82,24.26 ; 49.21,23.34 45.89,21.72 ; 97.78,107.59 96.79,107.47 ; 53.62,52.54 53.39,53.51 ; 53.39,53.51 51.55,53.12 50.36,52.78 49.75,52.43 48.8,50.73 ; 53.39,53.51 54.81,53.83 56.63,52.59 57.69,51.47 58.37,50.09 ; 70.1,87.4 71.06,87.1 ; 71.06,87.1 69.07,83.18 ; 109.32,66.18 108.33,66.31 ; 109.32,66.18 109.3,70.45 ; 83.25,56.68 86.68,53.95 ; 83.25,56.68 83.98,57.36 ; 86.68,53.95 87.17,54.82 ; 32.58,98.04 29.05,97.77 ; 32.58,98.04 32.84,97.07 ; 29.05,97.77 29.17,96.78 ; 17.95,41.29 17.76,40.31 ; 17.76,40.31 v1(19.32,40.14) ; 39.97,83.68 41.57,79.77 ; 39.97,83.68 40.93,83.94 ; 39.97,83.68 39.28,87.86 ; 41.57,79.77 42.45,80.24 ; 64.58,120.11 62.52,117.05 ; 64.58,120.11 65.42,119.57 ; 64.58,120.11 67.15,123.42 ; 62.52,117.05 63.32,116.45 ; 55.42,110.9 52.3,111.92 ; 55.42,110.9 55.47,109.9 ; 98.97,54.04 99.33,53.11 ; 91.27,6.87 90.57,7.58 ; 91.27,6.87 87.83,4.26 ; 115.08,45.78 114.19,45.33 ; 54.31,97.84 51.87,96.95 50.06,95.35 ; 54.31,97.84 54.19,97.8 54.51,96.85 ; 54.31,97.84 56.62,98.54 59.09,97.53 ; 131.6,87.37 132.5,87.8 ; 132.5,87.8 133.62,83.57 ; 109.3,70.45 108.31,70.34 ; 133.08,79.28 133.62,83.57 ; 133.08,79.28 131.36,75.46 ; 133.08,79.28 132.12,79.54 ; 133.62,83.57 132.63,83.49 ; 58.08,30.66 58,31.66 ; 69.07,83.18 68.25,83.76 ; 73.89,76.17 73.19,76.88 ; 73.89,76.17 76.47,79.44 ; 117.04,38.25 117.98,38.57 ; 17.96,95.46 17.76,96.44 17.61,96.39 ; 76.47,79.44 75.64,80.01 ; 76.47,79.44 76.69,79.3 ; 110.18,17.79 114.16,19.46 ; 110.18,17.79 106.01,17.37 ; 110.18,17.79 109.92,18.75 ; 114.16,19.46 113.59,20.29 ; 114.16,19.46 117.26,22.55 ; 95.84,85.32 95.57,84.35 ; 65.61,45.13 64.67,45.48 ; 89.21,68.85 88.29,67.28 87.77,63.98 88.6,62.99 ; 89.21,68.85 90.05,68.31 ; 93.38,61.24 93.44,60.24 ; 93.44,60.24 91.98,60.29 89.87,61.73 88.6,62.99 ; 93.44,60.24 94.98,60.29 97.13,60.96 98.27,61.83 ; 93.72,126.48 92.85,125.98 ; 93.72,126.48 91.27,129.88 ; 47.11,73.49 47.72,74.28 ; 47.11,73.49 50.75,71.39 ; 96.79,29.39 97.79,29.26 ; 100.95,65.94 100.68,64.62 99.47,63.12 98.27,61.83 ; 100.95,65.94 99.97,66.14 ; 38.27,19.72 38.59,18.77 ; 38.59,18.77 v1(40.01,19.21) ; 111.96,84.54 113.5,87.72 ; 111.96,84.54 110.99,84.79 ; v1(19.32,40.14) C6.2 ; v1(19.32,40.14) 18.76,38.57 ; 34.78,118.94 38.6,117.97 ; 34.78,118.94 34.58,117.96 ; 60.58,22.54 62.57,19.62 ; 60.58,22.54 61.28,23.25 ; 62.57,19.62 63.37,20.22 ; 65.55,54.01 64.64,53.6 ; 54.17,39.02 56.64,38.5 58.89,39.12 ; 54.17,39.02 54.34,40.01 ; 20.4,63.25 19.79,62.45 ; 19.79,62.45 22.7,60.46 ; 19.79,62.45 16.73,64.51 ; 49.7,50.28 48.8,50.73 ; v1(115.37,92.74) 115.43,92.69 115.43,91.97 115.12,91.66 115.12,91.05 ; 118.98,40.31 122.78,41.38 ; 118.98,40.31 118.79,41.29 ; 122.78,41.38 122.45,42.33 ; 103.8,97.08 104.07,98.05 ; 104.07,98.05 100.87,98.72 ; 104.07,98.05 107.59,97.78 ; 110.79,58.78 111.68,58.32 ; 111.68,58.32 114.12,60.52 ; 74.57,51.61 73.57,51.52 ; 89.89,77.6 90.05,76.61 ; 89.89,77.6 92.99,77.74 94.47,77.18 ; 75.48,5.37 75.98,6.24 ; 81.85,90.28 80.86,90.46 ; 39.96,29.29 38.96,29.17 ; 38.96,29.17 38.7,32.69 ; 3.66,79.29 5.38,75.47 ; 3.66,79.29 3.12,83.58 ; 3.66,79.29 4.62,79.55 ; 5.38,75.47 6.24,75.97 ; 130.5,75.96 131.36,75.46 ; 131.36,75.46 128.97,72.18 ; 49.34,5.17 48.9,4.27 ; 48.9,4.27 53.14,3.12 ; 48.9,4.27 45.47,6.88 ; 100.95,38.05 100.42,38.9 ; 100.95,38.05 104.17,38.71 ; 22.7,60.46 v1(25.11,58.26) ; 22.7,60.46 23.42,61.16 ; 87.83,132.49 91.27,129.88 ; 87.83,132.49 87.39,131.58 ; 75.09,75.37 74.24,75.89 ; 74.24,75.89 76.69,79.3 ; 74.24,75.89 72.54,72.06 ; 67.77,122.78 67.15,123.42 ; 107.69,38.97 111.39,39.23 ; 107.69,38.97 107.58,39.96 ; 107.69,38.97 104.17,38.71 ; 111.39,39.23 v1(113.91,39.17) ; 111.39,39.23 111.33,40.23 ; 70.12,11.17 69.37,10.51 ; 118.79,95.45 v1(118.28,97.3) ; v1(118.28,97.3) 118.28,97.25 ; 75.48,131.37 72.2,128.98 ; 75.48,131.37 75.98,130.51 ; 72.2,128.98 69.37,126.23 ; 72.2,128.98 72.86,128.23 ; 20.31,113.63 19.48,114.19 ; 18.78,34.56 17.8,34.75 ; 17.8,34.75 18.76,38.57 ; 96.44,118.97 95.46,118.77 ; 63.89,128.23 64.55,128.98 ; 64.55,128.98 61.26,131.37 ; 84.6,110.91 84.36,111.88 ; 84.36,111.88 87.54,113.4 ; 49.62,82.39 50.4,83.02 ; 26.01,58.71 v1(25.11,58.26) ; v1(25.11,58.26) 25.83,55.32 ; 128.97,72.18 128.21,72.84 ; 123.17,67.04 122.72,67.8 ; 40.28,87.89 39.28,87.86 ; 39.28,87.86 39.58,92.09 ; 43.07,99.78 43.85,99.15 ; 43.07,99.78 40.86,96.14 ; 45.44,22.61 45.89,21.72 ; 45.89,21.72 v1(43.86,20.55) ; 69.37,126.23 70.12,125.57 ; 114.12,60.52 113.4,61.21 ; 118.38,106.02 119.38,106.02 ; v1(14.53,65.88) 16.73,64.51 ; 16.73,64.51 17.28,65.35 ; 17.61,96.39 13.97,95.36 ; 13.97,95.36 14.29,94.42 ; 100.87,98.72 100.33,97.88 ; 50.82,94.7 50.06,95.35 ; 50.06,95.35 48.16,93.19 47.78,91.22 ; 59.09,97.53 58.82,96.57 ; 52.3,111.92 52.06,110.95 ; 52.3,111.92 49.12,113.44 ; 38.7,32.69 39.66,32.96 ; 38.7,32.69 38.01,35.89 ; 103.9,39.67 104.17,38.71 ; 83.82,83.31 83.43,84.23 ; 78.4,25.05 76.21,22.61 ; 78.4,25.05 77.94,25.94 ; 102.18,117.97 101.96,119.12 ; 69.07,99.65 68.25,99.08 ; 17.79,26.55 18.76,26.81 ; 57.18,132.12 57.44,133.09 ; 57.44,133.09 61.26,131.37 ; 57.44,133.09 53.15,133.62 ; 18.76,38.57 19.71,38.26 ; 87.54,113.4 87.93,112.48 ; 58.37,50.09 58.95,48.69 58.95,48.43 57.59,47.08 C13.2 ; 58.37,50.09 57.48,49.63 ; 58.89,39.12 58.57,40.07 ; 45.47,129.88 46.18,129.17 ; 83.03,72.52 82.22,73.11 82.18,73.02 ; 98.45,74.78 96.52,76.42 94.47,77.18 ; 98.45,74.78 97.79,74.04 ; v1(40.01,19.21) C7.2 ; v1(40.01,19.21) 40.3,17.79 ; 61.26,131.37 60.76,130.51 ; 132.49,48.93 131.59,49.36 ; 107.47,96.79 107.59,97.78 ; 107.59,97.78 111.28,97.53 ; 91.27,129.88 90.57,129.17 ; 13.45,69.63 16.65,72.18 ; 13.45,69.63 14.02,68.94 ; 51.18,72.29 50.75,71.39 ; 38.28,117.03 38.6,117.97 ; 17.2,71.34 16.65,72.18 ; 76.37,52.7 75.5,52.19 ; 113.5,87.72 115.12,91.05 ; 113.5,87.72 112.58,88.12 ; 115.12,91.05 114.23,91.5 ; 98.27,61.83 97.57,62.55 ; 53.23,132.63 53.15,133.62 ; 87.83,4.26 87.39,5.16 ; 76.69,79.3 77.42,78.62 ; 102.16,18.78 101.97,17.8 ; 101.97,17.8 106.01,17.37 ; 41.84,52.91 40.93,53.34 ; 117.26,22.55 116.44,23.12 ; 117.97,102.18 118.95,101.98 ; 38.86,36.44 38.01,35.89 ; 49.12,113.44 48.73,112.52 ; 94.81,20.2 95.05,21.02 ; 76.21,22.61 75.52,23.32 ; 48.76,91.01 47.78,91.22 ; 41.28,17.98 40.3,17.79 ; 40.3,17.79 41.37,13.99 ; 69.49,62.92 66.39,65.73 ; 69.49,62.92 68.72,62.27 ; 66.39,65.73 65.77,64.94 ; 3.12,83.58 4.12,83.51 ; 3.12,83.58 4.25,87.82 